# KiCad board europe-ergo-smd.kicad_pcb
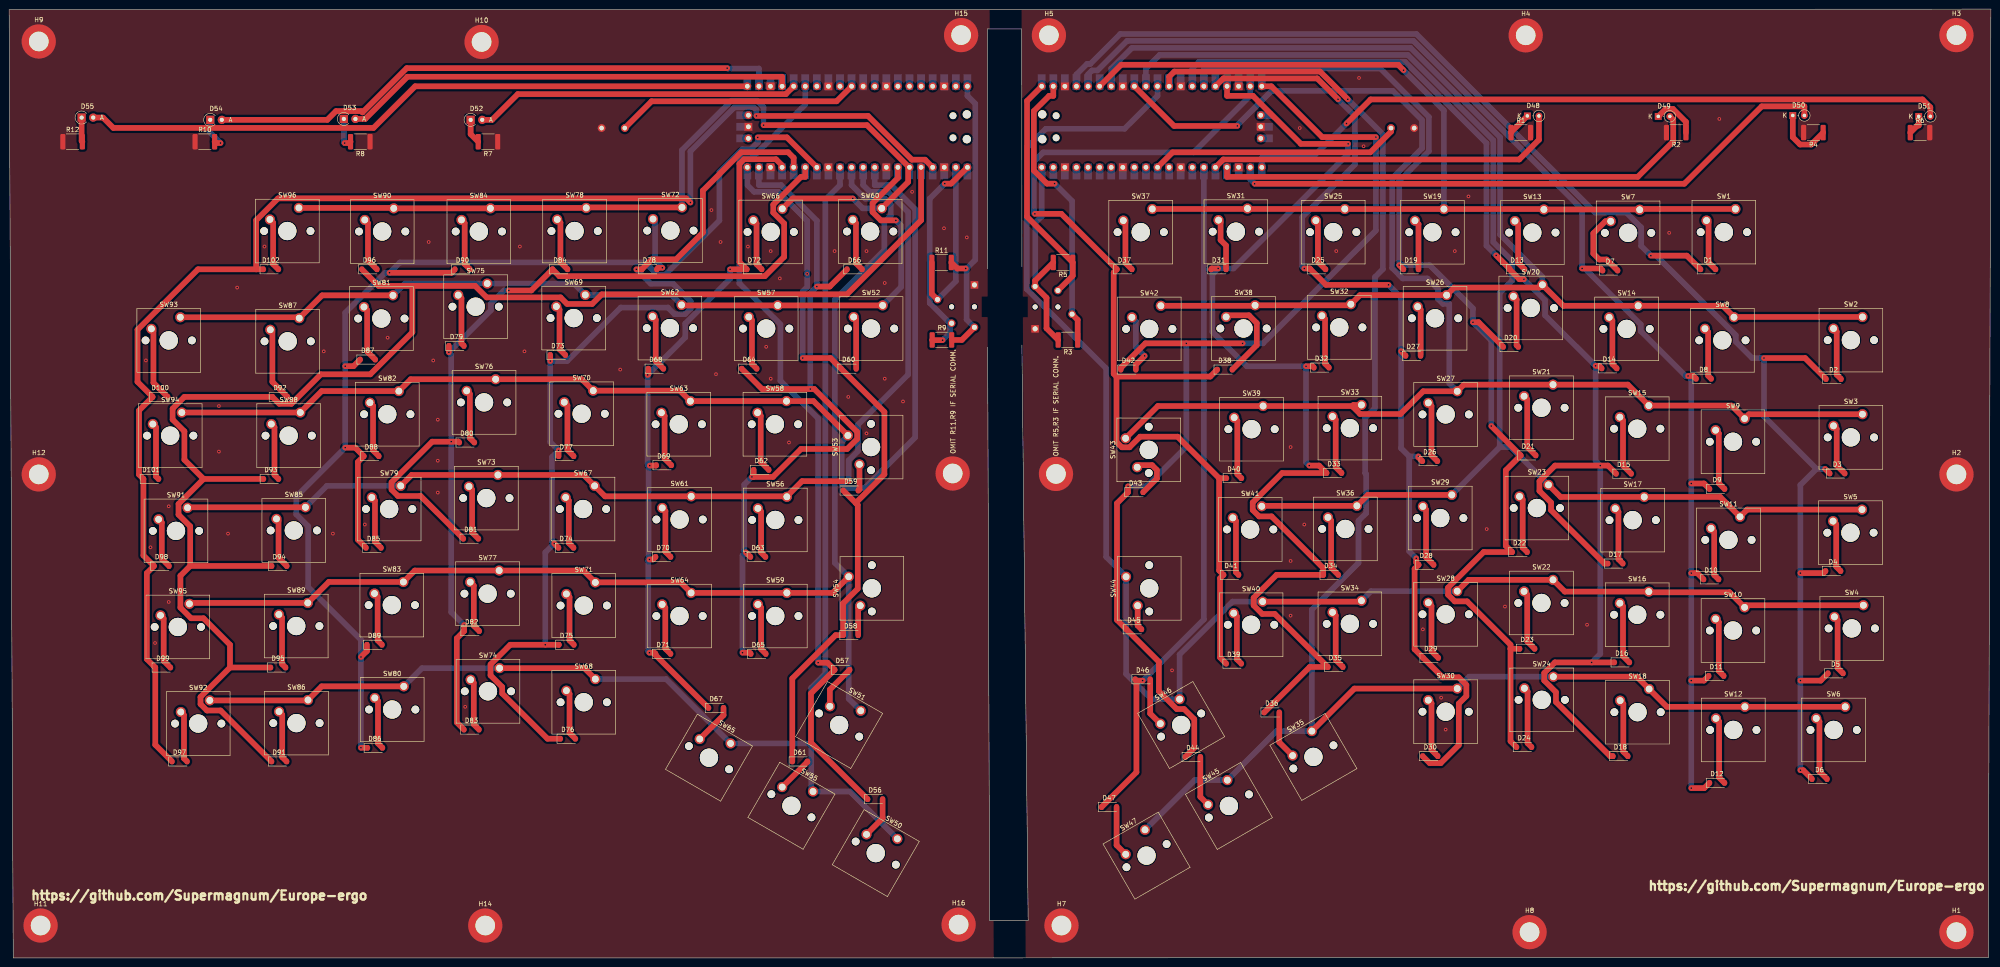
[diagram p0: board, top side]
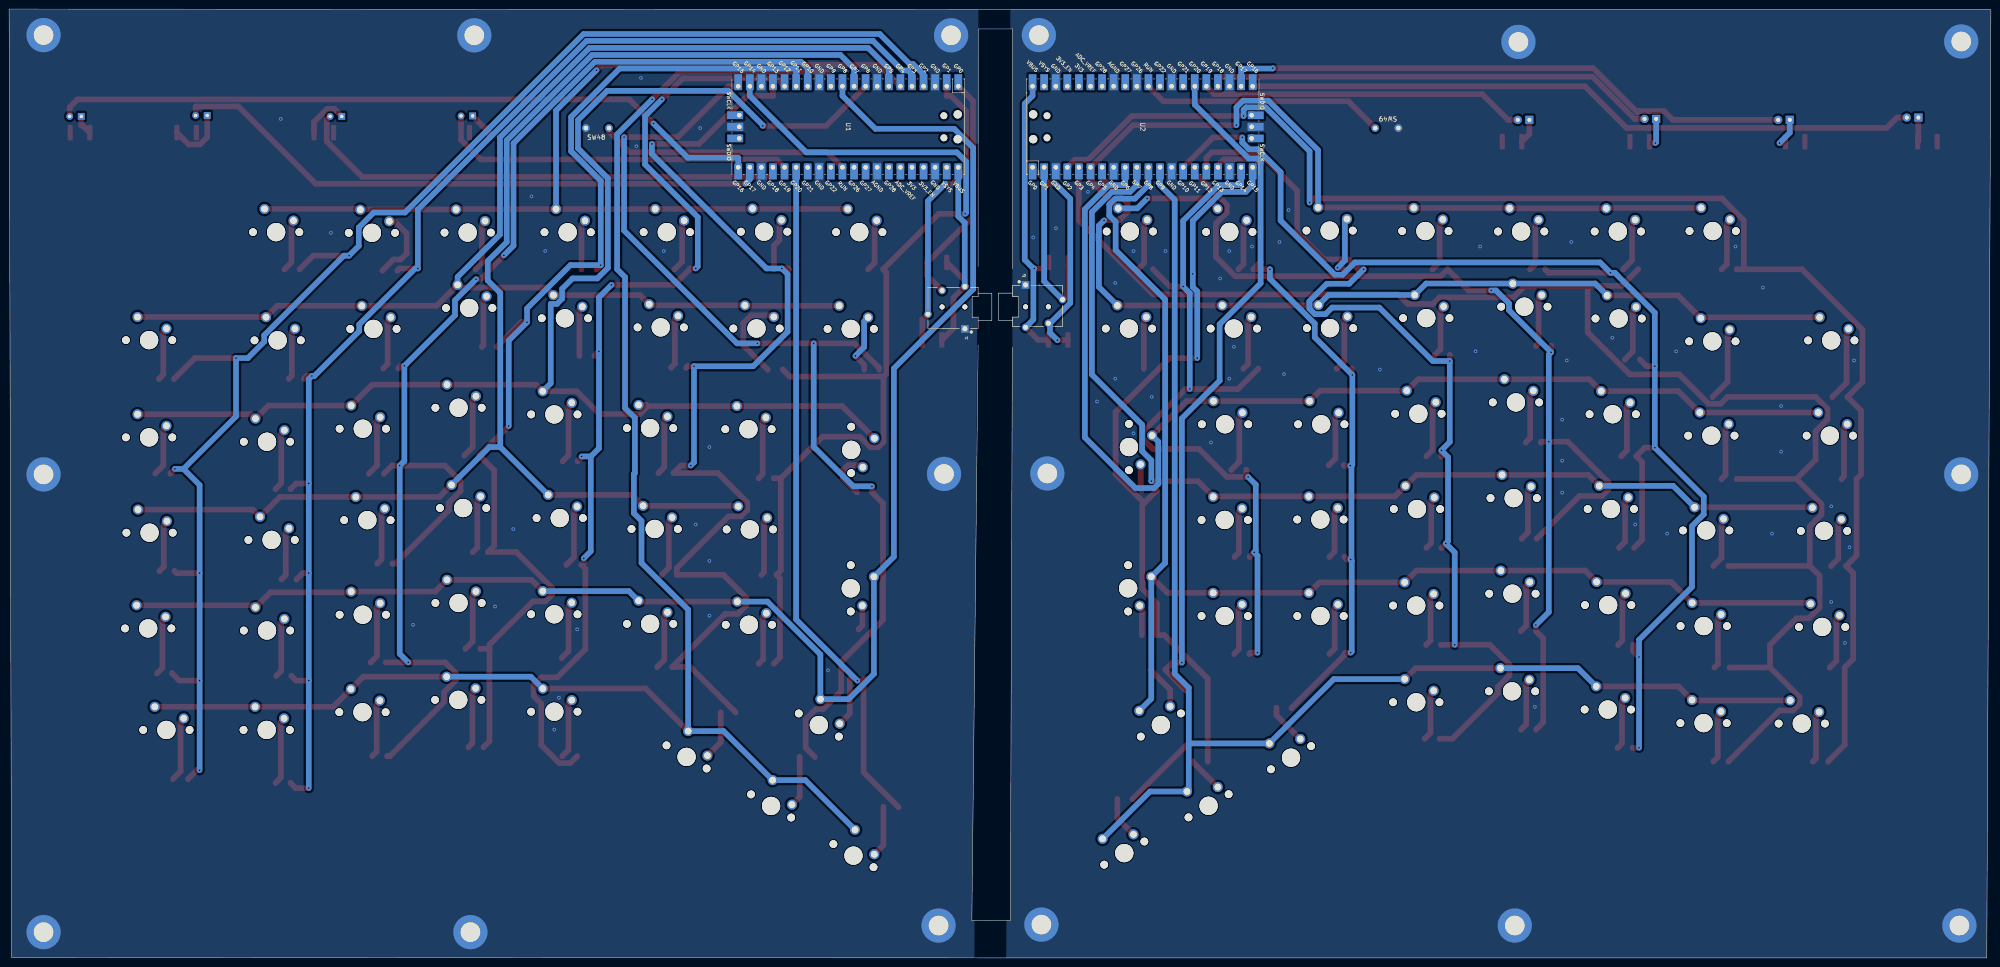
[diagram p1: board, bottom side, seen from below]

Outline 434.55 x 208.2 mm; copper layers: Top, Bottom. Coordinates in mm from the lower left corner of the outline.
Outline path: 214.57,151.22 214.5,203.85 222.05,203.85 222.07,151.7 ; 214.57,134.02 215,8.25 223.45,8.25 222.07,134.5 ; 0,208.1 214.5,208.1 434.55,208.2 434,0.1 215.9,0 0.9,0 0,208.1
Stack: Top 0.035mm / dielectric 1.51mm FR4 er 4.5 / Bottom 0.035mm

## Placement (name value [footprint] x y rotation side)
D1  1N4148W  [D_SOD-123]  372.52 151.1 0 top
D2  1N4148W  [D_SOD-123]  400.05 127.03 0 top
D3  1N4148W  [D_SOD-123]  400.86 106.3 0 top
D4  1N4148W  [D_SOD-123]  399.94 84.89 0 top
D5  1N4148W  [D_SOD-123]  400.48 62.44 0 top
D6  1N4148W  [D_SOD-123]  396.97 39.26 0 top
D7  1N4148W  [D_SOD-123]  351.05 150.84 0 top
D8  1N4148W  [D_SOD-123]  371.56 127.09 0 top
D9  1N4148W  [D_SOD-123]  374.5 102.9 0 top
D10  1N4148W  [D_SOD-123]  373.19 83.06 0 top
D11  1N4148W  [D_SOD-123]  374.32 61.88 0 top
D12  1N4148W  [D_SOD-123]  374.49 38.4 0 top
D13  1N4148W  [D_SOD-123]  330.65 151.1 0 top
D14  1N4148W  [D_SOD-123]  350.86 129.36 0 top
D15  1N4148W  [D_SOD-123]  354.02 106.26 0 top
D16  1N4148W  [D_SOD-123]  353.62 64.84 0 top
D17  1N4148W  [D_SOD-123]  352.19 86.53 0 top
D18  1N4148W  [D_SOD-123]  353.29 44.26 0 top
D19  1N4148W  [D_SOD-123]  307.39 151.1 0 top
D20  1N4148W  [D_SOD-123]  329.26 134.09 0 top
D21  1N4148W  [D_SOD-123]  333.1 110.26 0 top
D22  1N4148W  [D_SOD-123]  331.2 89.06 0 top
D23  1N4148W  [D_SOD-123]  332.86 67.84 0 top
D24  1N4148W  [D_SOD-123]  332.17 46.26 0 top
D25  1N4148W  [D_SOD-123]  287 151.1 0 top
D26  1N4148W  [D_SOD-123]  311.52 109 0 top
D27  1N4148W  [D_SOD-123]  307.86 132.13 0 top
D28  1N4148W  [D_SOD-123]  310.71 86.26 0 top
D29  1N4148W  [D_SOD-123]  311.72 65.84 0 top
D30  1N4148W  [D_SOD-123]  311.62 44.26 0 top
D31  1N4148W  [D_SOD-123]  265.19 151.1 0 top
D32  1N4148W  [D_SOD-123]  287.76 129.53 0 top
D33  1N4148W  [D_SOD-123]  290.52 106.4 0 top
D34  1N4148W  [D_SOD-123]  289.8 84.06 0 top
D35  1N4148W  [D_SOD-123]  290.8 63.84 0 top
D36  1N4148W  [D_SOD-123]  276.86 53.86 0 top
D37  1N4148W  [D_SOD-123]  244.55 151.1 0 top
D38  1N4148W  [D_SOD-123]  266.56 129.09 0 top
D39  1N4148W  [D_SOD-123]  268.52 64.57 0 top
D40  1N4148W  [D_SOD-123]  268.55 105.26 0 top
D41  1N4148W  [D_SOD-123]  267.93 84.06 0 top
D42  1N4148W  [D_SOD-123]  245.41 129.09 0 top
D43  1N4148W  [D_SOD-123]  247 102.18 0 top
D44  1N4148W  [D_SOD-123]  259.55 44.1 0 top
D45  1N4148W  [D_SOD-123]  246.64 72.1 0 top
D46  1N4148W  [D_SOD-123]  248.56 61.13 0 top
D47  1N4148W  [D_SOD-123]  241.19 33.1 0 top
D48  LTL-4233  [D_DO-34_SOD68_P2.54mm_Vertical_KathodeUp]  332.91 184.76 0 top
D49  LTL-4233  [D_DO-34_SOD68_P2.54mm_Vertical_KathodeUp]  361.61 184.66 0 top
D50  LTL-4233  [D_DO-34_SOD68_P2.54mm_Vertical_KathodeUp]  391.11 184.86 0 top
D51  LTL-4233  [D_DO-34_SOD68_P2.54mm_Vertical_KathodeUp]  418.73 184.66 0 top
D52  LTL-4233  [D_A-405_P2.54mm_Vertical_AnodeUp]  101.2 183.9 0 top
D53  LTL-4233  [D_A-405_P2.54mm_Vertical_AnodeUp]  73.4 184.1 0 top
D54  LTL-4233  [D_A-405_P2.54mm_Vertical_AnodeUp]  44.1 183.9 0 top
D55  LTL-4233  [D_A-405_P2.54mm_Vertical_AnodeUp]  15.9 184.4 0 top
D56  1N4148W  [D_SOD-123]  189.89 34.82 0 top
D57  1N4148W  [D_SOD-123]  182.66 63.22 0 top
D58  1N4148W  [D_SOD-123]  184.52 70.82 0 top
D59  1N4148W  [D_SOD-123]  184.56 102.56 0 top
D60  1N4148W  [D_SOD-123]  184.08 129.3 0 top
D61  1N4148W  [D_SOD-123]  173.38 43.1 0 top
D62  1N4148W  [D_SOD-123]  164.92 107.1 0 top
D63  1N4148W  [D_SOD-123]  164.19 88 0 top
D64  1N4148W  [D_SOD-123]  162.28 129.3 0 top
D65  1N4148W  [D_SOD-123]  164.28 66.72 0 top
D66  1N4148W  [D_SOD-123]  185.38 151.1 0 top
D67  1N4148W  [D_SOD-123]  155 54.85 0 top
D68  1N4148W  [D_SOD-123]  141.8 129.3 0 top
D69  1N4148W  [D_SOD-123]  143.54 108.1 0 top
D70  1N4148W  [D_SOD-123]  143.39 88 0 top
D71  1N4148W  [D_SOD-123]  143.38 66.72 0 top
D72  1N4148W  [D_SOD-123]  163.38 151.1 0 top
D73  1N4148W  [D_SOD-123]  120.3 132.3 0 top
D74  1N4148W  [D_SOD-123]  122.11 90 0 top
D75  1N4148W  [D_SOD-123]  122.19 68.72 0 top
D76  1N4148W  [D_SOD-123]  122.5 48.1 0 top
D77  1N4148W  [D_SOD-123]  122.14 110.1 0 top
D78  1N4148W  [D_SOD-123]  140.38 151.1 0 top
D79  1N4148W  [D_SOD-123]  98.08 134.3 0 top
D80  1N4148W  [D_SOD-123]  100.35 113.1 0 top
D81  1N4148W  [D_SOD-123]  101.23 92 0 top
D82  1N4148W  [D_SOD-123]  101.42 71.72 0 top
D83  1N4148W  [D_SOD-123]  101.38 50.1 0 top
D84  1N4148W  [D_SOD-123]  120.8 151.1 0 top
D85  1N4148W  [D_SOD-123]  79.9 90 0 top
D86  1N4148W  [D_SOD-123]  80.2 46.1 0 top
D87  1N4148W  [D_SOD-123]  78.62 131.3 0 top
D88  1N4148W  [D_SOD-123]  79.41 110.1 0 top
D89  1N4148W  [D_SOD-123]  80.11 68.72 0 top
D90  1N4148W  [D_SOD-123]  99.4 151.1 0 top
D91  1N4148W  [D_SOD-123]  59.19 43.1 0 top
D92  1N4148W  [D_SOD-123]  59.38 123.1 0 top
D93  1N4148W  [D_SOD-123]  57.4 105.1 0 top
D94  1N4148W  [D_SOD-123]  59.22 86 0 top
D95  1N4148W  [D_SOD-123]  58.96 63.72 0 top
D96  1N4148W  [D_SOD-123]  79 151.1 0 top
D97  1N4148W  [D_SOD-123]  37.36 43.1 0 top
D98  1N4148W  [D_SOD-123]  33.41 86 0 top
D99  1N4148W  [D_SOD-123]  33.7 63.72 0 top
D100  1N4148W  [D_SOD-123]  33.11 123.1 0 top
D101  1N4148W  [D_SOD-123]  31.1 105.1 0 top
D102  1N4148W  [D_SOD-123]  57.38 151.1 0 top
H1  MountingHole_Pad  [MountingHole_4.3mm_M4_DIN965_Pad]  427 5.65 0 top
H2  MountingHole_Pad  [MountingHole_4.3mm_M4_DIN965_Pad]  427 106.1 0 top
H3  MountingHole_Pad  [MountingHole_4.3mm_M4_DIN965_Pad]  427 202.5 0 top
H4  MountingHole_Pad  [MountingHole_4.3mm_M4_DIN965_Pad]  332.55 202.45 0 top
H5  MountingHole_Pad  [MountingHole_4.3mm_M4_DIN965_Pad]  228 202.45 0 top
H6  MountingHole_Pad  [MountingHole_4.3mm_M4_DIN965_Pad]  229.55 106.2 0 top
H7  MountingHole_Pad  [MountingHole_4.3mm_M4_DIN965_Pad]  230.75 7.1 0 top
H8  MountingHole_Pad  [MountingHole_4.3mm_M4_DIN965_Pad]  333.4 5.65 0 top
H9  MountingHole_Pad  [MountingHole_4.3mm_M4_DIN965_Pad]  6.5 201.1 0 top
H10  MountingHole_Pad  [MountingHole_4.3mm_M4_DIN965_Pad]  103.6 201 0 top
H11  MountingHole_Pad  [MountingHole_4.3mm_M4_DIN965_Pad]  6.9 7.1 0 top
H12  MountingHole_Pad  [MountingHole_4.3mm_M4_DIN965_Pad]  6.5 106.1 0 top
H13  MountingHole_Pad  [MountingHole_4.3mm_M4_DIN965_Pad]  206.9 106.3 0 top
H14  MountingHole_Pad  [MountingHole_4.3mm_M4_DIN965_Pad]  104.4 7.1 0 top
H15  MountingHole_Pad  [MountingHole_4.3mm_M4_DIN965_Pad]  208.75 202.5 0 top
H16  MountingHole_Pad  [MountingHole_4.3mm_M4_DIN965_Pad]  208.2 7.3 0 top
J1  SJ-43514  [CUI_SJ-43514]  227.57 142.85 0 bottom
J2  SJ-43514  [CUI_SJ-43514]  209.07 142.87 180 bottom
R1  330  [R_1812_4532Metric]  331.47 181.1 0 top
R2  330  [R_1812_4532Metric]  365.55 181.1 180 top
R3  4.7K  [R_1812_4532Metric]  232.17 135.6 180 top
R4  330  [R_1812_4532Metric]  395.63 181.1 180 top
R5  4.7K  [R_1812_4532Metric]  231.09 152.6 180 top
R6  330  [R_1812_4532Metric]  419.01 181.1 0 top
R7  330  [R_1812_4532Metric]  105 179.1 180 top
R8  330  [R_1812_4532Metric]  77 179.1 180 top
R9  4.7K  [R_1812_4532Metric]  204.54 135.6 0 top
R10  330  [R_1812_4532Metric]  42.92 179.1 0 top
R11  4.7K  [R_1812_4532Metric]  204.46 152.6 0 top
R12  330  [R_1812_4532Metric]  13.92 179.1 0 top
SW1  MX1A-G1NN  [SW_Cherry_MX_1.00u_PCB]  378.54 164.34 0 top
SW2  MX1A-G1NN  [SW_Cherry_MX_1.50u_PCB]  406.39 140.64 0 top
SW3  MX1A-G1NN  [SW_Cherry_MX_1.50u_PCB]  406.39 119.3 0 top
SW4  MX1A-G1NN  [SW_Cherry_MX_1.50u_PCB]  406.6 77.38 0 top
SW5  MX1A-G1NN  [SW_Cherry_MX_1.50u_PCB]  406.3 98.38 0 top
SW6  MX1A-G1NN  [SW_Cherry_MX_1.00u_PCB]  402.61 55.1 0 top
SW7  MX1A-G1NN  [SW_Cherry_MX_1.00u_PCB]  357.54 164.18 0 top
SW8  MX1A-G1NN  [SW_Cherry_MX_1.00u_PCB]  378.21 140.6 0 top
SW9  MX1A-G1NN  [SW_Cherry_MX_1.00u_PCB]  380.54 118.34 0 top
SW10  MX1A-G1NN  [SW_Cherry_MX_1.00u_PCB]  380.54 76.92 0 top
SW11  MX1A-G1NN  [SW_Cherry_MX_1.00u_PCB]  379.54 96.8 0 top
SW12  MX1A-G1NN  [SW_Cherry_MX_1.00u_PCB]  380.61 55.1 0 top
SW13  MX1A-G1NN  [SW_Cherry_MX_1.00u_PCB]  336.54 164.24 0 top
SW14  MX1A-G1NN  [SW_Cherry_MX_1.00u_PCB]  357.21 143.1 0 top
SW15  MX1A-G1NN  [SW_Cherry_MX_1.00u_PCB]  359.54 121.2 0 top
SW16  MX1A-G1NN  [SW_Cherry_MX_1.00u_PCB]  359.54 80.38 0 top
SW17  MX1A-G1NN  [SW_Cherry_MX_1.00u_PCB]  358.54 101.14 0 top
SW18  MX1A-G1NN  [SW_Cherry_MX_1.00u_PCB]  359.61 59 0 top
SW19  MX1A-G1NN  [SW_Cherry_MX_1.00u_PCB]  314.62 164.32 0 top
SW20  MX1A-G1NN  [SW_Cherry_MX_1.00u_PCB]  336.21 147.7 0 top
SW21  MX1A-G1NN  [SW_Cherry_MX_1.00u_PCB]  338.54 125.8 0 top
SW22  MX1A-G1NN  [SW_Cherry_MX_1.00u_PCB]  338.54 82.96 0 top
SW23  MX1A-G1NN  [SW_Cherry_MX_1.00u_PCB]  337.54 103.8 0 top
SW24  MX1A-G1NN  [SW_Cherry_MX_1.00u_PCB]  338.61 61.7 0 top
SW25  MX1A-G1NN  [SW_Cherry_MX_1.00u_PCB]  292.88 164.34 0 top
SW26  MX1A-G1NN  [SW_Cherry_MX_1.00u_PCB]  315.21 145.44 0 top
SW27  MX1A-G1NN  [SW_Cherry_MX_1.00u_PCB]  317.54 124.34 0 top
SW28  MX1A-G1NN  [SW_Cherry_MX_1.00u_PCB]  317.54 80.48 0 top
SW29  MX1A-G1NN  [SW_Cherry_MX_1.00u_PCB]  316.35 101.6 0 top
SW30  MX1A-G1NN  [SW_Cherry_MX_1.00u_PCB]  317.54 59.1 0 top
SW31  MX1A-G1NN  [SW_Cherry_MX_1.00u_PCB]  271.54 164.44 0 top
SW32  MX1A-G1NN  [SW_Cherry_MX_1.00u_PCB]  294.21 143.44 0 top
SW33  MX1A-G1NN  [SW_Cherry_MX_1.00u_PCB]  296.54 121.34 0 top
SW34  MX1A-G1NN  [SW_Cherry_MX_1.00u_PCB]  296.54 78.38 0 top
SW35  MX1A-G1NN  [SW_Cherry_MX_1.00u_PCB]  285.66 49.77 30 top
SW36  MX1A-G1NN  [SW_Cherry_MX_1.00u_PCB]  295.54 99.2 0 top
SW37  MX1A-G1NN  [SW_Cherry_MX_1.00u_PCB]  250.67 164.34 0 top
SW38  MX1A-G1NN  [SW_Cherry_MX_1.00u_PCB]  273.21 143.2 0 top
SW39  MX1A-G1NN  [SW_Cherry_MX_1.00u_PCB]  274.97 121.1 0 top
SW40  MX1A-G1NN  [SW_Cherry_MX_1.00u_PCB]  274.87 78.18 0 top
SW41  MX1A-G1NN  [SW_Cherry_MX_1.00u_PCB]  274.67 99.1 0 top
SW42  MX1A-G1NN  [SW_Cherry_MX_1.00u_PCB]  252.54 143.1 0 top
SW43  MX1A-G1NN  [SW_Cherry_MX_1.50u_PCB]  244.82 114.02 90 top
SW44  MX1A-G1NN  [SW_Cherry_MX_1.50u_PCB]  244.92 83.64 90 top
SW45  MX1A-G1NN  [SW_Cherry_MX_1.00u_PCB]  267.13 39.01 30 top
SW46  MX1A-G1NN  [SW_Cherry_MX_1.00u_PCB]  256.66 56.77 30 top
SW47  MX1A-G1NN  [SW_Cherry_MX_1.00u_PCB]  249.07 28.11 30 top
SW48  800SP9B6M2RE  [switch_P5.08mm]  303.01 182.1 0 bottom
SW49  800SP9B6M2RE  [switch_P5.08mm]  135 182.1 180 bottom
SW50  MX1A-G1NN  [SW_Cherry_MX_1.00u_PCB]  194.77 26.12 330 top
SW51  MX1A-G1NN  [SW_Cherry_MX_1.00u_PCB]  186.74 54.23 330 top
SW52  MX1A-G1NN  [SW_Cherry_MX_1.00u_PCB]  191.54 143.18 0 top
SW53  MX1A-G1NN  [SW_Cherry_MX_1.50u_PCB]  183.92 114.64 90 top
SW54  MX1A-G1NN  [SW_Cherry_MX_1.50u_PCB]  184.1 83.64 90 top
SW55  MX1A-G1NN  [SW_Cherry_MX_1.00u_PCB]  176.28 36.51 330 top
SW56  MX1A-G1NN  [SW_Cherry_MX_1.00u_PCB]  170.54 101.18 0 top
SW57  MX1A-G1NN  [SW_Cherry_MX_1.00u_PCB]  168.54 143.18 0 top
SW58  MX1A-G1NN  [SW_Cherry_MX_1.00u_PCB]  170.46 122.18 0 top
SW59  MX1A-G1NN  [SW_Cherry_MX_1.00u_PCB]  170.54 80.1 0 top
SW60  MX1A-G1NN  [SW_Cherry_MX_1.00u_PCB]  191.34 164.48 0 top
SW61  MX1A-G1NN  [SW_Cherry_MX_1.00u_PCB]  149.56 101.28 0 top
SW62  MX1A-G1NN  [SW_Cherry_MX_1.00u_PCB]  147.44 143.28 0 top
SW63  MX1A-G1NN  [SW_Cherry_MX_1.00u_PCB]  149.38 122.18 0 top
SW64  MX1A-G1NN  [SW_Cherry_MX_1.00u_PCB]  149.54 80.1 0 top
SW65  MX1A-G1NN  [SW_Cherry_MX_1.00u_PCB]  158.2 47.06 330 top
SW66  MX1A-G1NN  [SW_Cherry_MX_1.00u_PCB]  169.54 164.38 0 top
SW67  MX1A-G1NN  [SW_Cherry_MX_1.00u_PCB]  128.38 103.58 0 top
SW68  MX1A-G1NN  [SW_Cherry_MX_1.00u_PCB]  128.54 61.18 0 top
SW69  MX1A-G1NN  [SW_Cherry_MX_1.00u_PCB]  126.34 145.48 0 top
SW70  MX1A-G1NN  [SW_Cherry_MX_1.00u_PCB]  128.08 124.48 0 top
SW71  MX1A-G1NN  [SW_Cherry_MX_1.00u_PCB]  128.54 82.4 0 top
SW72  MX1A-G1NN  [SW_Cherry_MX_1.00u_PCB]  147.54 164.68 0 top
SW73  MX1A-G1NN  [SW_Cherry_MX_1.00u_PCB]  107.18 105.98 0 top
SW74  MX1A-G1NN  [SW_Cherry_MX_1.00u_PCB]  107.54 63.58 0 top
SW75  MX1A-G1NN  [SW_Cherry_MX_1.00u_PCB]  104.84 147.98 0 top
SW76  MX1A-G1NN  [SW_Cherry_MX_1.00u_PCB]  106.68 126.98 0 top
SW77  MX1A-G1NN  [SW_Cherry_MX_1.00u_PCB]  107.46 85 0 top
SW78  MX1A-G1NN  [SW_Cherry_MX_1.00u_PCB]  126.54 164.58 0 top
SW79  MX1A-G1NN  [SW_Cherry_MX_1.00u_PCB]  85.87 103.58 0 top
SW80  MX1A-G1NN  [SW_Cherry_MX_1.00u_PCB]  86.54 59.58 0 top
SW81  MX1A-G1NN  [SW_Cherry_MX_1.00u_PCB]  84.16 145.38 0 top
SW82  MX1A-G1NN  [SW_Cherry_MX_1.00u_PCB]  85.46 124.38 0 top
SW83  MX1A-G1NN  [SW_Cherry_MX_1.00u_PCB]  86.46 82.5 0 top
SW84  MX1A-G1NN  [SW_Cherry_MX_1.00u_PCB]  105.54 164.48 0 top
SW85  MX1A-G1NN  [SW_Cherry_MX_1.00u_PCB]  64.97 98.88 0 top
SW86  MX1A-G1NN  [SW_Cherry_MX_1.00u_PCB]  65.54 56.6 0 top
SW87  MX1A-G1NN  [SW_Cherry_MX_1.00u_PCB]  63.62 140.38 0 top
SW88  MX1A-G1NN  [SW_Cherry_MX_1.00u_PCB]  63.84 119.68 0 top
SW89  MX1A-G1NN  [SW_Cherry_MX_1.00u_PCB]  65.5 77.9 0 top
SW90  MX1A-G1NN  [SW_Cherry_MX_1.00u_PCB]  84.34 164.48 0 top
SW91  MX1A-G1NN  [SW_Cherry_MX_1.50u_PCB]  39.13 98.78 0 top
SW92  MX1A-G1NN  [SW_Cherry_MX_1.00u_PCB]  44 56.5 0 top
SW93  MX1A-G1NN  [SW_Cherry_MX_1.50u_PCB]  37.54 140.58 0 top
SW94  MX1A-G1NN  [SW_Cherry_MX_1.50u_PCB]  37.86 119.68 0 top
SW95  MX1A-G1NN  [SW_Cherry_MX_1.50u_PCB]  39.54 77.7 0 top
SW96  MX1A-G1NN  [SW_Cherry_MX_1.00u_PCB]  63.54 164.58 0 top
U1  SC0915  [RPi_Pico_SMD_TH]  250.55 182.38 270 bottom
U2  SC0915  [RPi_Pico_SMD_TH]  186 182.38 90 bottom

## Library data of the parts
D1-D47 D56-D102 = -: Description: 100V 0.15A standard switching diode, DO-35
D48-D55 = -: Description: Light emitting diode
H1-H16 = -: Description: Mounting Hole with connection
J1 J2 = -: Description: Generic connector, single row, 01x04, script generated (kicad-library-utils/schlib/autogen/connector/)
R1-R12 = -: Description: Resistor
SW35 SW65 = -: Field4: arrow-left
SW45 SW55 = -: Field4: arrow-down
SW46 SW51 = -: Field4: arrow-up
SW47 SW50 = -: Field4: arrow-right
SW48 SW49 = -: Description: Push button switch, generic, two pins

## Footprints (pads in the part's own frame, mm; a bottom-side part is the same pattern mirrored in y, then rotated)
CUI_SJ-43514
  round 1.1 hole 1.1 unplated: (-2.6,0) (2.4,0)
  rect 1.65x1.65 hole 1.1: 1(-2.6,4.8)
  round 1.65 hole 1.1: 2(2.4,-3.6) 3(5.5,1.6) 4(-2.6,-4.5)
D_A-405_P2.54mm_Vertical_AnodeUp
  rect 1.8x1.8 hole 0.9: 1(0,0)
  oval 1.8x1.8 hole 0.9: 2(2.54,0)
D_DO-34_SOD68_P2.54mm_Vertical_KathodeUp
  rect 1.5x1.5 hole 0.75: 1(0,0)
  oval 1.5x1.5 hole 0.75: 2(2.54,0)
D_SOD-123
  rrect 0.9x1.2 smd: 1(-1.65,0) 2(1.65,0)
MountingHole_4.3mm_M4_DIN965_Pad
  round 7.5 hole 4.3: 1(0,0)
R_1812_4532Metric
  rrect 1.125x3.4 smd: 1(-2.138,0) 2(2.138,0)
RPi_Pico_SMD_TH
  oval 1.8x1.8 hole 1.8 unplated: (-2.725,24) (2.725,24)
  oval 1.5x1.5 hole 1.5 unplated: (-2.425,20.97) (2.425,20.97)
  oval 1.7x1.7 hole 1.02: 1(-8.89,24.13) 2(-8.89,21.59) 4(-8.89,16.51) 5(-8.89,13.97) 6(-8.89,11.43) 7(-8.89,8.89) 9(-8.89,3.81) 10(-8.89,1.27) 11(-8.89,-1.27) 12(-8.89,-3.81) 14(-8.89,-8.89) 15(-8.89,-11.43) 16(-8.89,-13.97) 17(-8.89,-16.51) 19(-8.89,-21.59) 20(-8.89,-24.13) 21(8.89,-24.13) 22(8.89,-21.59) 24(8.89,-16.51) 25(8.89,-13.97) 26(8.89,-11.43) 27(8.89,-8.89) 29(8.89,-3.81) 30(8.89,-1.27) 31(8.89,1.27) 32(8.89,3.81) 34(8.89,8.89) 35(8.89,11.43) 36(8.89,13.97) 37(8.89,16.51) 39(8.89,21.59) 40(8.89,24.13) 41(-2.54,-23.9) 43(2.54,-23.9)
  rect 3.5x1.7 smd: 1(-8.89,24.13) 2(-8.89,21.59) 3(-8.89,19.05) 4(-8.89,16.51) 5(-8.89,13.97) 6(-8.89,11.43) 7(-8.89,8.89) 8(-8.89,6.35) 9(-8.89,3.81) 10(-8.89,1.27) 11(-8.89,-1.27) 12(-8.89,-3.81) 13(-8.89,-6.35) 14(-8.89,-8.89) 15(-8.89,-11.43) 16(-8.89,-13.97) 17(-8.89,-16.51) 18(-8.89,-19.05) 19(-8.89,-21.59) 20(-8.89,-24.13) 21(8.89,-24.13) 22(8.89,-21.59) 23(8.89,-19.05) 24(8.89,-16.51) 25(8.89,-13.97) 26(8.89,-11.43) 27(8.89,-8.89) 28(8.89,-6.35) 29(8.89,-3.81) 30(8.89,-1.27) 31(8.89,1.27) 32(8.89,3.81) 33(8.89,6.35) 34(8.89,8.89) 35(8.89,11.43) 36(8.89,13.97) 37(8.89,16.51) 38(8.89,19.05) 39(8.89,21.59) 40(8.89,24.13)
  rect 1.7x1.7 hole 1.02: 3(-8.89,19.05) 8(-8.89,6.35) 13(-8.89,-6.35) 18(-8.89,-19.05) 23(8.89,-19.05) 28(8.89,-6.35) 33(8.89,6.35) 38(8.89,19.05) 42(0,-23.9)
  rect 1.7x3.5 smd: 41(-2.54,-23.9) 42(0,-23.9) 43(2.54,-23.9)
SW_Cherry_MX_1.00u_PCB
  round 1.7 hole 1.7 unplated: (-7.62,-5.08) (2.54,-5.08)
  round 4 hole 4 unplated: (-2.54,-5.08)
  round 2.2 hole 1.5: 1(0,0) 2(-6.35,-2.54)
SW_Cherry_MX_1.50u_PCB
  round 1.7 hole 1.7 unplated: (-7.62,-5.08) (2.54,-5.08)
  round 4 hole 4 unplated: (-2.54,-5.08)
  round 2.2 hole 1.5: 1(0,0) 2(-6.35,-2.54)
switch_P5.08mm
  round 1.7 hole 1: 1(0,0) 2(5.08,0)

## Nets
GNDL: H9.1 H10.1 H11.1 H12.1 H13.1 H14.1 H15.1 H16.1 J2.1 R7.1 R8.1 R10.1 R12.1 SW49.2 U2.3 U2.8 U2.13 U2.18 U2.23 U2.28 U2.31 U2.33 U2.38 U2.42
GNDR: H1.1 H2.1 H3.1 H4.1 H5.1 H6.1 H7.1 H8.1 J1.1 R1.2 R2.2 R4.2 R6.2 SW48.2 U1.3 U1.8 U1.13 U1.18 U1.23 U1.28 U1.33 U1.38 U1.42
VCCL: J2.4 R9.2 R11.2 U2.40
VCCR: J1.4 R3.2 R5.2 U1.40
/RUN: SW48.1 U1.30
Arrow-Left: D56.1 D57.1 U2.26
Arrow-Right: D46.1 D47.1 U1.26
COL1: D97.1 D98.1 D99.1 D100.1 D101.1 D102.1 U2.4
COL1R: D1.1 D2.1 D3.1 D4.1 D5.1 D6.1 U1.4
COL2: D91.1 D92.1 D93.1 D94.1 D95.1 D96.1 U2.5
COL2R: D7.1 D8.1 D9.1 D10.1 D11.1 D12.1 U1.5
COL3: D85.1 D86.1 D87.1 D88.1 D89.1 D90.1 U2.14
COL3R: D13.1 D14.1 D15.1 D16.1 D17.1 D18.1 U1.14
COL4: D79.1 D80.1 D81.1 D82.1 D83.1 D84.1 U2.15
COL4R: D19.1 D20.1 D21.1 D22.1 D23.1 D24.1 U1.15
COL5: D73.1 D74.1 D75.1 D76.1 D77.1 D78.1 U2.16
COL5R: D25.1 D26.1 D27.1 D28.1 D29.1 D30.1 U1.16
COL6: D67.1 D68.1 D69.1 D70.1 D71.1 D72.1 U2.17
COL6R: D31.1 D32.1 D33.1 D34.1 D35.1 D36.1 U1.17
COL7: D62.1 D63.1 D64.1 D65.1 D66.1 U2.19
COL7R: D37.1 D38.1 D39.1 D40.1 D41.1 U1.19
COL8: D58.1 D59.1 D60.1 D61.1 U2.20
COL8R: D42.1 D43.1 D44.1 D45.1 U1.20
PWM1: D55.2 U2.21
PWM1R: D51.2 U1.21
PWM2: D54.2 U2.22
PWM2R: D50.2 U1.22
PWM3: D53.2 U2.24
PWM3R: D49.2 U1.24
PWM4: D52.2 U2.25
PWM4R: D48.2 U1.25
ROW1: SW60.1 SW66.1 SW72.1 SW78.1 SW84.1 SW90.1 SW96.1 U2.6
ROW1R: SW1.1 SW7.1 SW13.1 SW19.1 SW25.1 SW31.1 SW37.1 U1.6
ROW2: SW52.1 SW57.1 SW62.1 SW69.1 SW75.1 SW81.1 SW87.1 SW93.1 U2.7
ROW2R: SW2.1 SW8.1 SW14.1 SW20.1 SW26.1 SW32.1 SW38.1 SW42.1 U1.7
ROW3: SW53.1 SW58.1 SW63.1 SW70.1 SW76.1 SW82.1 SW88.1 SW94.1 U2.9
ROW3R: SW3.1 SW9.1 SW15.1 SW21.1 SW27.1 SW33.1 SW39.1 SW43.1 U1.9
ROW4: SW56.1 SW61.1 SW67.1 SW73.1 SW79.1 SW85.1 SW91.1 U2.10
ROW4R: SW5.1 SW11.1 SW17.1 SW23.1 SW29.1 SW36.1 SW41.1 U1.10
ROW5: SW51.1 SW54.1 SW59.1 SW64.1 SW71.1 SW77.1 SW83.1 SW89.1 SW95.1 U2.11
ROW5R: SW4.1 SW10.1 SW16.1 SW22.1 SW28.1 SW34.1 SW40.1 SW44.1 SW46.1 U1.11
ROW6: SW50.1 SW55.1 SW65.1 SW68.1 SW74.1 SW80.1 SW86.1 SW92.1 U2.12
ROW6R: SW6.1 SW12.1 SW18.1 SW24.1 SW30.1 SW35.1 SW45.1 SW47.1 U1.12
SCL I2C0: J2.3 R11.1 U2.2
sclR: J1.3 R3.1 U1.2